# Altium PCB GameBoard_V1I1.PcbDoc (part 11 of 22) (continued)
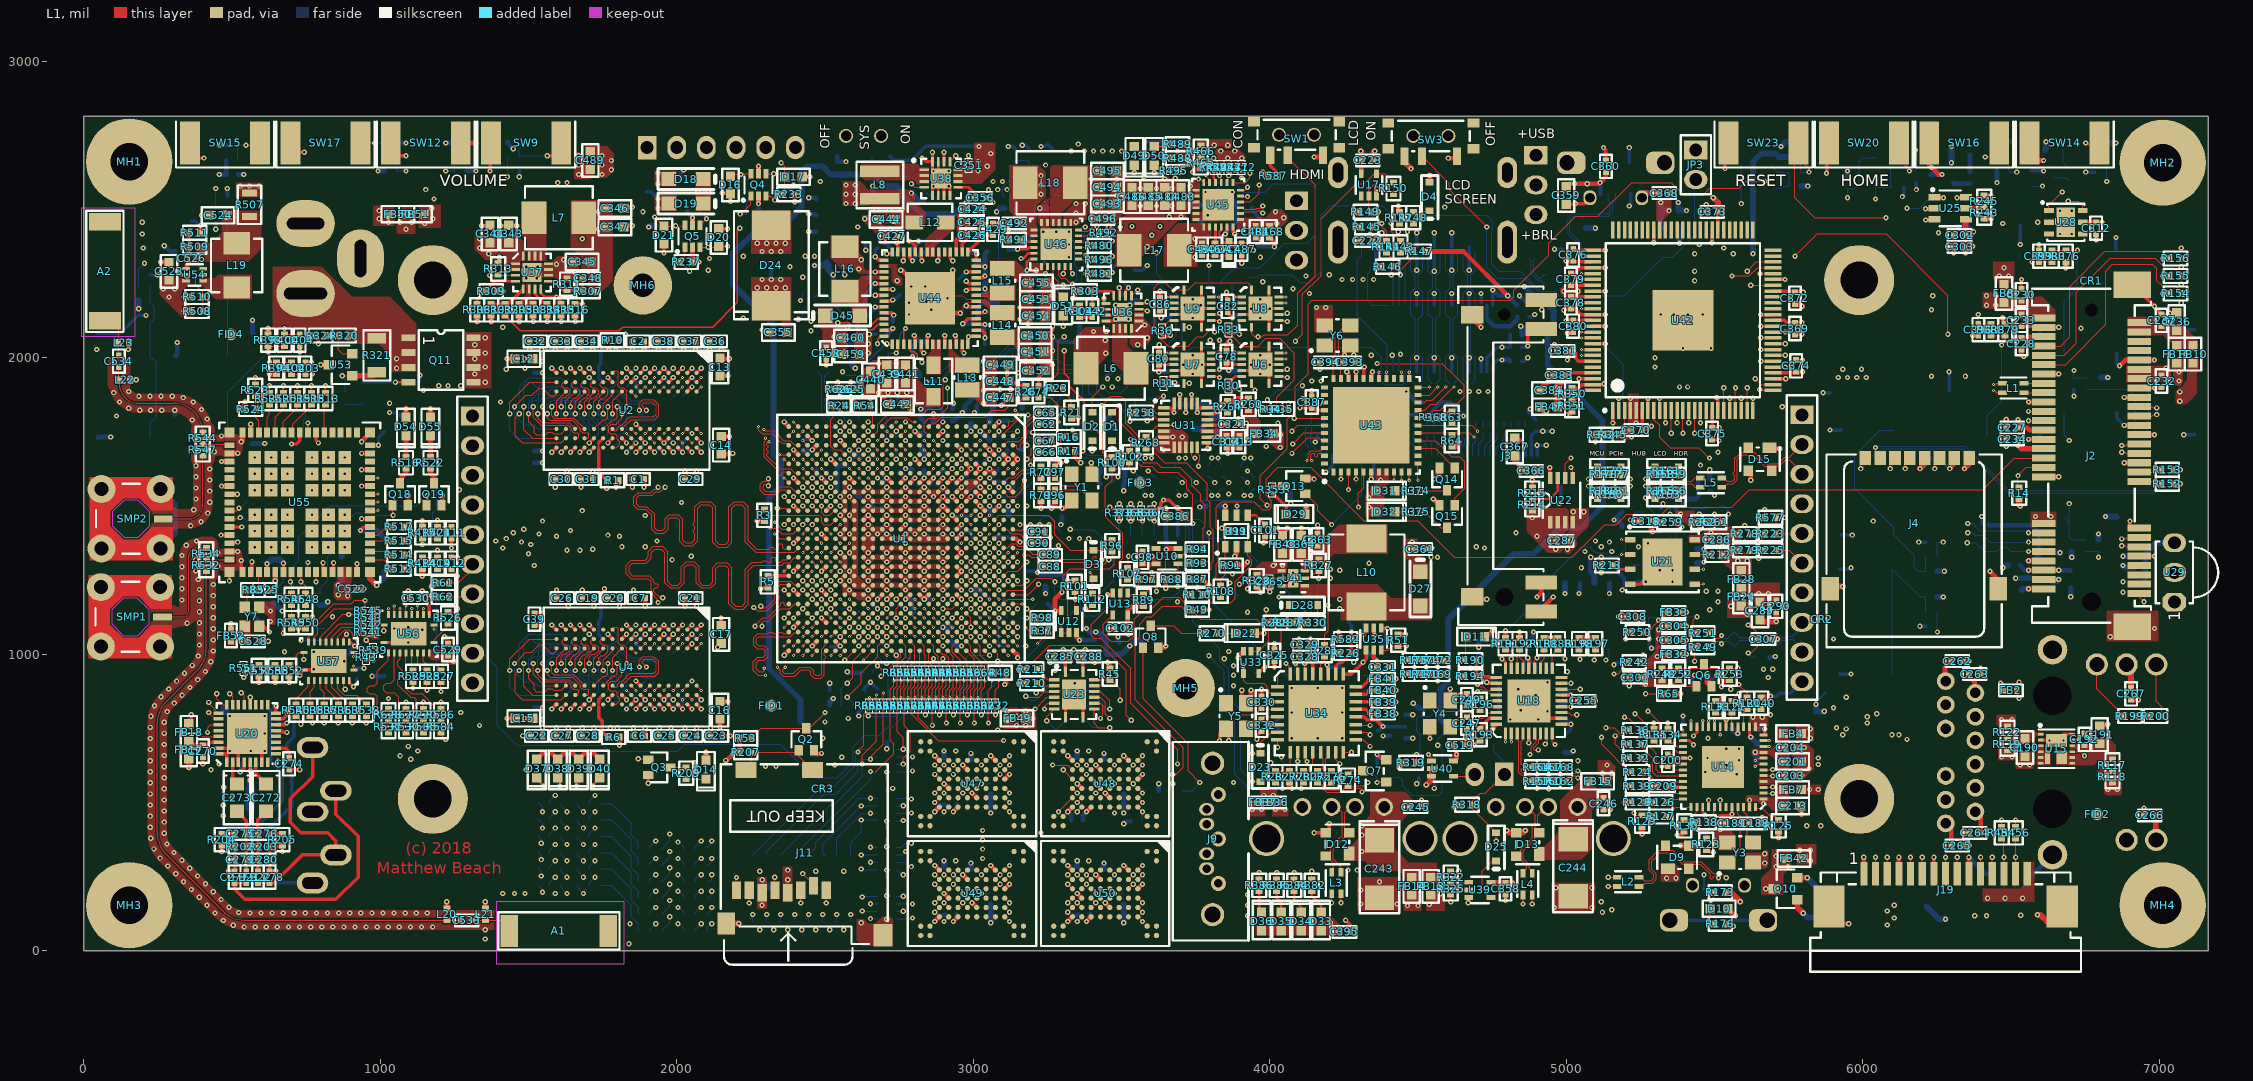
[diagram p0: L1 view]
## Nets (pads, with @x,y where several pads share a name; then routed paths per layer and width w, separated by ;. In a path a pad name is that pad's centre, name@x,y a point inside that pad or via, vN(x,y) a via of type N, cw(c..) or ccw(c..) an arc to the next point about the centre after c; other vN are vias at no path point) (continued)
  L2 w3.15: v3(1925.2,877.95) v4(1940.95,893.7) ; v4(2539.37,1133.86) v3(2551.18,1122.05)
DRAM_DQS0_N: U1.AD3 U2.B7 | length 692.2
  L1 w3.35: v3(2019.69,1744.1) v4(2035.43,1759.84) ; v3(2293.32,1757.89) 2297.28,1753.94 2328.17,1753.94 2361.64,1720.47 2383.31,1720.47 2396.72,1707.06 2407.11,1707.06 U1.AD3@2409.45,1704.73
  L3 w3.35: v4(2035.43,1759.84) 2034.95,1760.32 2024.87,1760.32 2010.59,1774.61 1973.62,1774.61 1966.14,1782.08 1966.14,1793.07 1975.32,1802.24 2113.27,1802.24 2118.9,1796.62 2118.9,1782.84 2135.2,1766.54 2158.9,1766.54 2175.39,1783.03 2175.39,1797.44 2183.07,1805.12 2198.82,1805.12 2208.66,1795.28 2208.66,1776.57 2240.85,1744.39 2279.82,1744.39 v4(2281.51,1746.08)
  L2 w3.15: v3(2019.69,1744.1) v4(2035.43,1759.84) ; v4(2281.51,1746.08) v3(2293.32,1757.89)
DRAM_DQS0_P: U1.AE3 U2.C7 | length 693
  L1 w3.35: v3(1988.19,1744.1) v4(2003.94,1759.84) ; v3(2275.59,1767.72) 2275.59,1756.56 2288.06,1744.09 2324.1,1744.09 2337.6,1730.59 2337.6,1724.41 2343.5,1718.5 2349.69,1718.5 2357.56,1710.63 2372.08,1710.63 U1.AE3@2377.95,1704.73
  L3 w3.35: v4(2003.94,1759.84) 2000.2,1763.58 1991.93,1763.58 1988.19,1759.84 1988.19,1755.91 1985.24,1752.95 1980.32,1752.95 1977.36,1755.91 1977.36,1759.84 1973.62,1763.58 1969.05,1763.58 1955.12,1777.51 1955.12,1797.64 1970.75,1813.27 2117.83,1813.27 2129.92,1801.18 2129.92,1787.4 2139.76,1777.56 2154.33,1777.56 2164.37,1787.6 2164.37,1802.01 2178.5,1816.14 2203.39,1816.14 2219.69,1799.84 2219.69,1781.14 2226.38,1774.45 2234.41,1774.45 2240,1768.86 2240,1760.83 2245.41,1755.41 2263.29,1755.41 v4(2263.78,1755.91)
  L2 w3.15: v3(1988.19,1744.1) v4(2003.94,1759.84) ; v4(2263.78,1755.91) v3(2275.59,1767.72)
DRAM_DQS1_N: U1.AE6 U2.G3 | length 1121.4
  L1 w3.35: v4(1877.95,1885.83) v3(1893.7,1901.57) ; v3(2299.21,1728.35) 2297.86,1726.99 2297.86,1719.05 2294.29,1715.48 2294.29,1665.48 2294.39,1665.38 2294.39,1665.12 2341.54,1617.97 2341.54,1607.28 2344.49,1604.33 2350.39,1604.33 2353.35,1607.28 2353.35,1610.24 2358.27,1615.16 2373.06,1615.16 U1.AE6@2377.95,1610.24
  L3 w3.35: v4(1877.95,1885.83) 1888.19,1875.59 1888.19,1856.53 1882.64,1850.98 1859.02,1850.98 1845.28,1837.24 1845.28,1812.98 1868.2,1790.06 1917.85,1790.06 1930.71,1802.91 1930.71,1833.27 1937.01,1839.57 2233.39,1839.57 2248.43,1824.53 2248.43,1793.33 2262.17,1779.58 2285.75,1779.58 2300.79,1794.62 2300.79,1831.41 2306.39,1837.01 2314.96,1837.01 2320.28,1831.69 2327.36,1831.69 2332.68,1837.01 2341.87,1837.01 2355.32,1823.56 2355.32,1812.63 2319.98,1777.29 2319.98,1766.73 2316.93,1763.68 2316.93,1755.91 2319.98,1752.85 2319.98,1745.1 2316.66,1741.78 2312.64,1741.78 v4(2311.02,1740.16)
  L2 w3.15: v4(1877.95,1885.83) v3(1893.7,1901.57) ; v3(2299.21,1728.35) v4(2311.02,1740.16)
DRAM_DQS1_P: U1.AD6 U2.F3 | length 1122
  L1 w3.35: v4(1909.45,1885.83) v3(1925.2,1901.57) ; v3(2311.02,1716.53) 2309.54,1716.54 2304.23,1711.23 2304.23,1706.59 2308.07,1702.76 2308.07,1697.83 2304.23,1694 2304.23,1687.89 2308.07,1684.06 2308.07,1680.02 2304.23,1676.18 2304.23,1669.19 2348.43,1625 2384.3,1625 2396.72,1612.57 2407.11,1612.57 U1.AD6@2409.45,1610.24
  L3 w3.35: v4(1909.45,1885.83) 1899.21,1875.59 1899.21,1851.97 1887.2,1839.96 1863.58,1839.96 1856.3,1832.68 1856.3,1817.55 1872.76,1801.08 1913.29,1801.08 1919.69,1807.48 1919.69,1837.83 1932.44,1850.59 2237.96,1850.59 2259.45,1829.1 2259.45,1797.9 2266.74,1790.61 2281.18,1790.61 2289.76,1799.19 2289.76,1835.97 2301.82,1848.03 2346.43,1848.03 2366.34,1828.13 2366.34,1808.06 2331,1772.73 2331,1740.53 2324.45,1733.98 2324.45,1729.97 v4(2322.83,1728.35)
  L2 w3.15: v4(1909.45,1885.83) v3(1925.2,1901.57) ; v3(2311.02,1716.53) v4(2322.83,1728.35)
DRAM_DQS2_N: U1.AE8 U3.G3 | length 1126.9
  L1 w3.35: v2(2309.06,1591.54) 2300.2,1582.68 2291.34,1582.68 2281.4,1572.74 2281.4,1553.25 2281.5,1553.15 2281.5,1553.01 2295.09,1539.42 2338.04,1539.42 2352.81,1554.18 2371.01,1554.18 U1.AE8@2377.95,1547.24
  L10 w3.35: v6(1877.95,1759.84) 1883.86,1759.84 1888.19,1764.17 1888.19,1783.7 1900.36,1795.87 1942.52,1795.87 1976.38,1829.72 2100.96,1829.72 2115.75,1814.94 2115.75,1788.05 2122.7,1781.1 2137.82,1781.1 2144.09,1787.38 2144.09,1815.35 2158.46,1829.72 2205.55,1829.72 2255.91,1779.37 2255.91,1754.92 2239.57,1738.58 2217.19,1738.58 2206.69,1728.09 2206.69,1708.92 2217.26,1698.35 2243.47,1698.35 2261.42,1680.4 2261.42,1657.5 2244.07,1640.16 2217.19,1640.16 2210.24,1633.21 2210.24,1618.11 2218.11,1610.24 2241.97,1610.24 2254.13,1598.07 2254.13,1580.51 2260.83,1573.82 2275.36,1573.82 2286.77,1585.24 2299.91,1585.24 2306.21,1591.54 v2(2309.06,1591.54)
  L11 w3.15: v6(1877.95,1759.84) v5(1893.7,1775.59)
  L12 w3.35: v6(1877.95,1759.84) v5(1893.7,1775.59)
DRAM_DQS2_P: U1.AD8 U3.F3 | length 1129
  L1 w3.35: v2(2309.06,1567.91) 2304.23,1572.74 2295.32,1572.74 2291.34,1568.76 2291.34,1557.09 2299.16,1549.26 2333.97,1549.26 2348.73,1564.03 2383.02,1564.03 2399.8,1547.24 U1.AD8@2409.45,1547.24
  L10 w3.35: v6(1909.45,1759.84) 1903.54,1759.84 1899.21,1764.17 1899.21,1779.13 1904.92,1784.84 1913.39,1784.84 1919.69,1778.54 1928.74,1778.54 1935.04,1784.84 1947.09,1784.84 1953.74,1791.5 1961.77,1791.5 1968.5,1798.23 1968.5,1806.26 1980.94,1818.7 2096.39,1818.7 2104.72,1810.37 2104.72,1783.49 2118.13,1770.08 2142.38,1770.08 2155.12,1782.81 2155.12,1810.79 2163.03,1818.7 2200.98,1818.7 2206.69,1812.99 2206.69,1804.13 2211.61,1799.21 2220.47,1799.21 2226.38,1793.31 2226.38,1786.42 2231.79,1781 2238.68,1781 2244.88,1774.8 2244.88,1759.49 2235,1749.61 2212.62,1749.61 2195.67,1732.65 2195.67,1704.35 2212.7,1687.33 2238.9,1687.33 2250.39,1675.84 2250.39,1662.07 2239.51,1651.18 2212.62,1651.18 2199.21,1637.77 2199.21,1613.54 2213.54,1599.21 2237.4,1599.21 2243.11,1593.5 2243.11,1575.95 2256.26,1562.8 2279.92,1562.8 2291.34,1574.21 2299.91,1574.21 2306.21,1567.91 v2(2309.06,1567.91)
  L11 w3.15: v6(1909.45,1759.84) v5(1925.2,1775.59)
  L12 w3.35: v6(1909.45,1759.84) v5(1925.2,1775.59)
DRAM_DQS3_N: U1.AB10 U3.B7 | length 830.6
  L1 w3.35: v2(2456.69,1500) U1.AB10@2472.44,1484.25
  L10 w3.35: v6(2003.94,1854.33) 2014.17,1864.57 2020.28,1864.57 2031.69,1853.15 2213.78,1853.15 2281.89,1785.04 2281.89,1639.16 2324.51,1596.54 2324.51,1530.97 2385.2,1470.28 2436.65,1470.28 2446.46,1480.08 2446.46,1492.55 2453.91,1500 v2(2456.69,1500)
  L11 w3.15: v6(2003.94,1854.33) v5(2019.69,1870.08)
  L12 w3.35: v5(2019.69,1870.08) U3.B7@2035.43,1885.83
DRAM_DQS3_P: U1.AC10 U3.C7 | length 829.8
  L1 w3.35: v2(2425.2,1500) U1.AC10@2440.94,1484.25
  L10 w3.35: v6(2003.94,1885.83) 2014.17,1875.59 2024.84,1875.59 2036.26,1864.17 2218.34,1864.17 2292.91,1789.6 2292.91,1643.73 2335.53,1601.11 2335.53,1557.09 2339.57,1553.05 2339.57,1546.36 2335.53,1542.32 2335.53,1535.53 2361.22,1509.84 2366.14,1509.84 2369.09,1512.8 2374.02,1512.8 2376.97,1509.84 2376.97,1504.92 2374.02,1501.97 2374.02,1497.05 2389.76,1481.3 2432.09,1481.3 2435.43,1484.65 2435.43,1492.55 2427.98,1500 v2(2425.2,1500)
  L11 w3.15: v5(1988.19,1870.08) v6(2003.94,1885.83)
  L12 w3.35: v5(1988.19,1870.08) v6(2003.94,1885.83)
DRAM_DQS4_N: U1.AE18 U5.G3 | length 1231.4
  L1 w3.35: v2(2259.84,1157.48) 2270.67,1146.65 2305.12,1146.65 2346.46,1187.99 2346.46,1192.91 2340.55,1198.82 2340.55,1205.71 2344.49,1209.65 2344.49,1214.57 2340.45,1218.6 2340.45,1225.3 2351.38,1236.22 2374.05,1236.22 U1.AE18@2377.95,1232.32
  L10 w3.35: v6(1877.95,893.7) 1879.27,895.02 1883.21,895.02 1888.19,900 1888.19,911.65 1905.67,929.13 2029.27,929.13 2037.79,937.66 2037.79,960.27 2048.25,970.73 2072.81,970.73 2084.25,959.29 2084.25,926.16 2089.24,921.18 2104.66,921.18 2109.65,926.16 2109.65,970.45 2121.09,981.89 2145.65,981.89 2157.09,970.45 2157.09,926.16 2162.07,921.18 2177.5,921.18 2182.48,926.16 2182.48,970.45 2193.92,981.89 2218.48,981.89 2229.92,970.45 2229.92,925.83 2234.9,920.84 2251.57,920.84 2256.69,925.96 2256.69,990.79 2272.99,1007.09 2309.25,1007.09 2332.68,1030.51 2332.68,1084.65 2284.53,1132.79 v2(2259.84,1157.48)
  L11 w3.15: v6(1877.95,893.7) v5(1893.7,909.45)
  L12 w3.35: v6(1877.95,893.7) v5(1893.7,909.45)
DRAM_DQS4_P: U1.AD18 U5.F3 | length 1231.3
  L1 w3.35: v2(2283.46,1161.42) 2288.39,1156.5 2301.04,1156.5 2330.61,1186.07 2330.61,1229.37 2347.3,1246.06 2385.28,1246.06 2396.72,1234.62 2407.11,1234.62 U1.AD18@2409.45,1232.28
  L10 w3.35: v6(1909.45,893.7) 1908.13,895.02 1904.19,895.02 1899.21,900 1899.21,907.09 1910.24,918.11 2033.83,918.11 2048.82,933.09 2048.82,955.71 2052.82,959.71 2068.25,959.71 2073.23,954.72 2073.23,921.59 2084.67,910.15 2109.23,910.15 2120.67,921.59 2120.67,965.88 2125.65,970.87 2141.08,970.87 2146.06,965.88 2146.06,921.59 2157.5,910.15 2182.06,910.15 2193.5,921.59 2193.5,965.88 2198.49,970.87 2213.91,970.87 2218.9,965.88 2218.9,921.26 2230.34,909.82 2256.14,909.82 2267.72,921.4 2267.72,986.22 2277.56,996.06 2313.82,996.06 2343.7,1025.95 2343.7,1089.21 2283.46,1149.45 v2(2283.46,1161.42)
  L11 w3.15: v6(1909.45,893.7) v5(1925.2,909.45)
  L12 w3.35: v6(1909.45,893.7) v5(1925.2,909.45)
DRAM_DQS5_N: U1.AE20 U5.B7 | length 766.1
  L1 w3.35: v2(2263.78,1094.49) 2263.78,1096.46 2290.45,1123.13 2307.19,1123.13 2351.38,1167.32 2351.38,1172.24 2354.33,1175.2 2359.25,1175.2 2362.2,1172.24 2362.2,1166.44 2365.16,1163.48 2372.15,1163.48 U1.AE20@2377.95,1169.29
  L10 w3.35: v6(2003.94,1019.69) 2015.45,1008.17 2104.37,1008.17 2110.63,1014.43 2110.63,1049.61 2126.97,1065.94 2149.61,1065.94 2165.64,1049.91 2165.64,1018.26 2174.45,1009.45 2200.13,1009.45 2212.6,1021.91 2212.6,1037.56 2173.23,1076.93 2173.23,1099.98 2189,1115.75 2212.58,1115.75 2225.19,1103.14 2229.12,1103.14 2233.27,1107.28 2238.19,1107.28 2241.14,1104.33 2241.14,1100.39 2236.22,1095.47 2236.22,1092.1 2255.29,1073.03 2265.12,1073.03 2270.08,1077.99 2270.08,1088.19 v2(2263.78,1094.49)
  L11 w3.15: v6(2003.94,1019.69) v5(2019.69,1003.94)
  L12 w3.35: v5(2019.69,1003.94) U5.B7@2035.43,1019.69
DRAM_DQS5_P: U1.AD20 U5.C7 | length 765.7
  L1 w3.35: v2(2287.4,1094.49) 2287.4,1106.16 2294.43,1113.19 2298.23,1113.19 2301.18,1110.24 2308.21,1110.24 2351.52,1153.54 2381.89,1153.54 2397.64,1169.29 U1.AD20@2409.45,1169.29
  L10 w3.35: v6(2003.94,988.19) 2012.89,997.15 2108.93,997.15 2121.65,1009.87 2121.65,1045.04 2131.53,1054.92 2145.04,1054.92 2154.61,1045.35 2154.61,1013.69 2169.88,998.43 2204.7,998.43 2223.62,1017.35 2223.62,1042.13 2184.25,1081.5 2184.25,1095.41 2193.57,1104.72 2208.01,1104.72 2250.73,1062.01 2269.69,1062.01 2281.1,1073.43 2281.1,1088.19 v2(2287.4,1094.49)
  L11 w3.15: v5(1988.19,1003.94) v6(2003.94,988.19)
  L12 w3.35: v5(1988.19,1003.94) U5.C7@2003.94,1019.69
DRAM_DQS6_N: U1.AE23 U4.B7 | length 747.2
  L1 w3.35: v3(2019.69,877.95) v4(2035.43,893.7) ; v3(2299.21,929.13) 2275.24,929.13 2257.78,946.6 2257.78,974.45 2272.6,989.27 2291.16,989.27 2298.13,996.24 2298.13,1011.49 2291.81,1017.81 2271.69,1017.81 2258.86,1030.65 2258.86,1055.4 2272.46,1069 2307.09,1069 2311.91,1073.82 2321.95,1073.82 2326.77,1069 2339.76,1069 2345.47,1074.7 2353.35,1074.7 2359.06,1069 2372.18,1069 U1.AE23@2377.95,1074.77
  L3 w3.35: v4(2035.43,893.7) 2025.2,903.94 2025.2,908.53 2040.59,923.92 2065.98,923.92 2084.39,905.51 2281.34,905.51 2299.38,923.56 2299.38,929.3 v4(2311.02,940.94)
  L2 w3.15: v3(2019.69,877.95) v4(2035.43,893.7) ; v3(2299.21,929.13) v4(2311.02,940.94)
DRAM_DQS6_P: U1.AD23 U4.C7 | length 747.8
  L1 w3.35: v3(1988.19,877.95) v4(2003.94,893.7) ; v3(2295.28,952.76) 2295.28,943.9 2291.34,939.96 2278.33,939.96 2267.62,950.68 2267.62,970.37 2276.67,979.43 2295.24,979.43 2307.97,992.17 2307.97,1015.57 2295.88,1027.66 2275.77,1027.66 2268.7,1034.73 2268.7,1051.32 2276.53,1059.15 2383.41,1059.15 2396.72,1072.47 2407.11,1072.47 U1.AD23@2409.45,1074.8
  L3 w3.35: v4(2003.94,893.7) 2014.17,903.94 2014.17,913.09 2036.02,934.94 2070.55,934.94 2088.95,916.54 2254.92,916.54 2258.66,920.28 2266.73,920.28 2270.47,916.54 2276.77,916.54 2288.36,928.12 2288.36,934.75 2283.46,939.65 v4(2283.46,940.94)
  L2 w3.15: v3(1988.19,877.95) v4(2003.94,893.7) ; v4(2283.46,940.94) v3(2295.28,952.76)
DRAM_DQS7_N: U1.AA24 U4.G3 | length 1013.1
  L1 w3.35: v4(1877.95,1019.68) v3(1893.7,1035.43) ; v3(2366.14,955.71) 2358.27,947.83 2358.27,939.96 2363.19,935.04 2393.56,935.04 2415.21,956.69 2449.8,956.69 2462.7,943.8 2462.7,933.87 2468.42,928.15 2482,928.15 2488.29,934.43 2488.29,1006.04 2488.19,1006.13 2488.19,1017.17 2501.6,1030.58 2501.6,1040.97 U1.AA24@2503.94,1043.31
  L3 w3.35: v4(1877.95,1019.68) 1878.19,1019.68 1888.19,1009.69 1888.19,992.36 1879.4,983.58 1857.75,983.58 1845.87,971.69 1845.87,946.25 1872.04,920.08 1997.11,920.08 2028.21,951.18 2086.64,951.18 2100.81,937.01 2255.75,937.01 2271.2,952.46 2345.87,952.46 2354.33,944 v4(2354.33,943.9)
  L2 w3.15: v4(1877.95,1019.68) v3(1893.7,1035.43) ; v4(2354.33,943.9) v3(2366.14,955.71)
DRAM_DQS7_P: U1.AA25 U4.F3 | length 1013.4
  L1 w3.35: v4(1909.45,1019.68) v3(1925.2,1035.43) ; v3(2339.57,955.71) 2348.43,946.85 2348.43,935.88 2359.11,925.2 2397.64,925.2 2419.29,946.85 2445.73,946.85 2452.03,940.55 2452.03,930.62 2464.34,918.31 2486.08,918.31 2498.13,930.36 2498.13,982.28 2501.97,986.12 2501.97,993.11 2498.13,996.95 2498.13,1006.04 U1.AA25@2503.91,1011.81
  L3 w3.35: v4(1909.45,1019.68) 1909.21,1019.68 1899.21,1009.69 1899.21,987.79 1883.97,972.55 1862.32,972.55 1856.89,967.13 1856.89,950.81 1876.6,931.1 1884.84,931.1 1890.75,937.01 1896.65,937.01 1902.56,931.1 1908.46,931.1 1914.37,937.01 1921.26,937.01 1927.17,931.1 1934.06,931.1 1939.96,937.01 1945.87,937.01 1951.77,931.1 1959.65,931.1 1965.55,937.01 1974.41,937.01 1980.31,931.1 1992.54,931.1 2023.64,962.2 2091.2,962.2 2105.38,948.03 2251.18,948.03 2266.63,963.48 2318.9,963.48 2322.93,967.52 2332.68,967.52 2336.71,963.48 2347.45,963.48 2351.38,967.41 v4(2351.38,967.52)
  L2 w3.15: v4(1909.45,1019.68) v3(1925.2,1035.43) ; v3(2339.57,955.71) v4(2351.38,967.52)
DRAM_RAS_B: U1.AB15 U2.J3 U3.J3 U4.J3 U5.J3 | length 2846.1
  L1 w3.15: v2@1783.53,944.88 1783.53,988.19 U4.J3@1815.03,1019.68 ; v2@1783.53,1811.02 1783.53,1854.33 U2.J3@1815.03,1885.83 ; U1.AB15@2472.44,1326.77 v3(2488.19,1311.02)
  L3 w3.15: v2(1933.07,1381.89) 1948.82,1366.14 2059.06,1366.14 2082.68,1342.52 2082.68,1291.34 2090.55,1283.46 2330.71,1283.46 2342.04,1294.8 2362.4,1294.8 2378.63,1311.02 2426.18,1311.02 2433.46,1303.74 2444.92,1303.74 2452.2,1311.02 2507.87,1311.02 2524.25,1327.4 2588.44,1327.4 2606.3,1345.26 2606.3,1366.14 2625.98,1385.83 2650.8,1385.83 2662.4,1397.43 2662.4,1418.31 2688.98,1444.88 2688.98,1475.26 2697.97,1484.25 2723.13,1484.25 2731,1476.38 2731,1430.12 2722.14,1421.26 2703.53,1421.26 2693.9,1411.63 2693.9,1369.87 2650.8,1326.77 2629.92,1326.77 2617.13,1313.98 2525.59,1313.98 2510.83,1299.21 v4(2500,1299.21)
  L10 w3.15: v2(1783.46,944.88) 1783.46,983.51 1735.24,1031.74 1735.24,1114.86 1771.65,1151.28 1771.65,1181.1 1905.51,1314.96 1921.26,1314.96 1933.07,1326.77 v2(1933.07,1381.89) ; v2@1783.53,1811.02 1783.53,1788.18 1737.2,1741.85 1737.2,1644.69 1817.91,1563.98 1817.91,1549 1817.78,1548.86 1817.78,1548.37 1858.27,1507.87 1889.83,1507.87 1933.14,1464.57 v2@1933.14,1381.89
  L2 w3.15: v3(2488.19,1311.02) v4(2500,1299.21)
  L12 w3.15: v2@1783.53,944.88 1780.58,944.88 1775.66,939.96 1775.66,933.07 1780.24,928.49 1792.73,928.49 1797.46,923.75 1797.46,914.52 1804.51,907.48 1813.73,907.48 1818.32,902.9 1818.32,896.99 U5.J3@1815.03,893.7 ; v2@1783.53,1811.02 1780.58,1811.02 1775.66,1806.1 1775.66,1799.21 1780.24,1794.63 1792.73,1794.63 1797.46,1789.89 1797.46,1780.67 1804.51,1773.62 1813.73,1773.62 1818.32,1769.04 1818.32,1763.13 U3.J3@1815.03,1759.84
  other v2: 1783.46,1811.02
DRAM_RESET_B: R4.2 U1.Y6 U2.T2 U3.T2 U4.T2 U5.T2 | length 3188.2
  L1 w3.15: v2@1437.07,944.88 1437.07,984.25 1504,1051.18 U4.T2@1594.55,1051.18 ; v2@1437.07,1811.02 1437.07,1850.39 1504,1917.32 U2.T2@1594.55,1917.32 ; v2(2519.69,1594.49) U1.Y6@2535.43,1610.24
  L3 w3.15: v2(1389.76,1381.89) 1389.76,1515.75 1417.5,1543.49 1964.57,1543.49 1974.13,1553.15 2324.8,1553.15 2342.52,1570.87 2393.7,1570.87 2413.39,1590.55 2437.01,1590.55 2448.82,1578.74 2503.94,1578.74 v2(2519.69,1594.49)
  L10 w3.15: v2(1389.76,1381.89) 1377.95,1370.08 1377.95,1003.94 v2(1437.01,944.88) ; v2@1389.8,1381.92 1378.02,1393.7 1378.02,1763.78 1425.26,1811.02 v2@1437.07,1811.02
  L12 w3.15: v2@1437.07,944.88 1437.07,889.76 1464.63,862.2 U5.T2@1594.55,862.2 ; v2@1437.07,1811.02 1437.07,1755.91 1464.63,1728.35 U3.T2@1594.55,1728.35 ; R4.2@2511.81,1622.05 2511.81,1602.36 v2(2519.69,1594.49)
  other v2: 1437.01,1811.02
DRAM_SDBA0: U1.AC15 U2.M2 U3.M2 U4.M2 U5.M2 | length 3078.6
  L1 w3.15: v2(1704.72,968.5) 1704.79,989.54 1714.27,999.02 1723.49,999.02 1736.29,1011.81 1736.29,1022.03 1725.84,1032.48 1715.62,1032.48 1709.71,1038.39 1709.71,1045.27 1714.63,1050.2 U4.M2@1721.52,1050.2 ; v2(1704.72,1834.65) 1704.79,1855.68 1714.27,1865.16 1723.49,1865.16 1736.29,1877.95 1736.29,1888.17 1725.84,1898.62 1715.62,1898.62 1709.71,1904.53 1709.71,1911.42 1714.63,1916.34 U2.M2@1721.52,1916.34 ; v3(2425.2,1311.02) U1.AC15@2440.94,1326.77
  L3 w3.15: v2(1767.72,1401.57) 1748.31,1382.16 1748.31,1263.51 1759.84,1251.97 1779.53,1251.97 1791.34,1263.78 1791.34,1273.62 1785.43,1279.53 1767.04,1279.53 1761.13,1285.43 1761.13,1297.24 1767.04,1303.15 1795.28,1303.15 1801.18,1309.05 1801.18,1320.87 1795.28,1326.77 1767.04,1326.77 1761.13,1332.68 1761.13,1344.49 1767.04,1350.39 1785.43,1350.39 1791.34,1356.3 1791.34,1366.14 1783.46,1374.02 1783.46,1397.64 1799.21,1413.39 1827.37,1413.39 1842.62,1398.14 1940.94,1398.14 1965.07,1374.02 2062.32,1374.02 2090.55,1345.78 2090.55,1299.21 2098.43,1291.34 2327.45,1291.34 2355.01,1318.9 2433.07,1318.9 v4(2437.01,1322.84)
  L10 w3.15: v2(1704.72,968.5) 1704.72,988.51 1625.98,1067.25 1625.98,1118.11 1633.86,1125.98 1665.35,1125.98 1673.23,1133.86 1673.23,1141.73 1657.48,1157.48 1657.48,1169.29 1665.35,1177.17 1681.1,1177.17 1708.66,1204.72 1708.66,1216.54 1696.85,1228.35 1696.85,1239.06 1705.27,1247.48 1724.41,1247.48 1732.56,1255.63 1732.56,1275.86 1740.16,1283.46 1760.39,1283.46 1767.72,1290.79 1767.72,1318.9 1775.59,1326.77 1787.4,1326.77 1795.28,1334.65 1795.28,1342.52 1787.4,1350.39 1775.59,1350.39 1767.72,1358.27 1767.72,1366.14 1775.59,1374.02 1783.46,1374.02 1791.34,1381.89 1791.34,1393.7 1783.46,1401.57 v2@1767.78,1401.57 ; v2(1704.72,1834.65) 1704.79,1783.46 1696.92,1775.59 1681.17,1775.59 1673.29,1767.72 1673.29,1748.03 1663.45,1738.19 1643.77,1738.19 1635.89,1730.32 1635.89,1704.72 1625.98,1694.82 1625.98,1673.29 1636.45,1662.82 1652.2,1662.82 1661.48,1653.54 1661.48,1645.67 1645.74,1629.92 1645.74,1602.36 1637.86,1594.49 1637.86,1570.87 1649.67,1559.06 1649.67,1539.37 1657.55,1531.5 1696.92,1531.5 1704.79,1523.62 1704.79,1503.94 1696.92,1496.06 1696.92,1484.25 1708.73,1472.44 1716.6,1472.44 1724.48,1480.31 1732.35,1480.31 1740.22,1472.44 1740.22,1464.57 1732.35,1456.69 1732.35,1444.88 1740.22,1437.01 1749.14,1437.01 1755.97,1443.84 1768.82,1443.84 1775.66,1437.01 1775.66,1425.2 1767.78,1417.32 v2@1767.78,1401.57 ; v2(1767.72,1401.57) v2@1767.78,1401.57
  L2 w3.15: v3(2425.2,1311.02) v4(2437.01,1322.84)
  L12 w3.15: v2(1704.72,968.5) 1704.79,944.05 1704.79,933.07 1736.29,901.57 1736.29,877.95 U5.M2@1720.54,862.2 ; v2(1704.72,1834.65) 1704.79,1810.19 1704.79,1799.21 1736.29,1767.72 1736.29,1744.09 U3.M2@1720.54,1728.35
DRAM_SDBA1: U1.Y15 U2.N8 U3.N8 U4.N8 U5.N8 | length 3260.6
  L1 w3.15: v2@1563.06,944.88 1563.06,932.09 1572.9,922.24 1648.69,922.24 1676.25,894.68 1676.25,886.81 1682.15,880.9 1699.87,880.9 1703.81,876.97 1703.81,866.14 1699.87,862.2 U4.N8@1689.04,862.2 ; v2@1563.06,1811.02 1563.06,1798.23 1572.9,1788.39 1648.69,1788.39 1676.25,1760.83 1676.25,1752.95 1682.15,1747.05 1699.87,1747.05 1703.81,1743.11 1703.81,1732.28 1699.87,1728.35 U2.N8@1689.04,1728.35 ; U1.Y15@2535.43,1326.77 v3(2551.18,1311.02)
  L3 w3.15: v2(1519.68,1299.21) 1578.74,1240.16 1591.75,1240.16 1655.72,1176.18 1906.5,1176.18 1923.23,1159.45 1966.54,1159.45 1984.25,1177.17 2425.2,1177.17 2449.8,1201.77 2494.3,1201.77 2503.94,1211.41 2503.94,1221.67 2513.57,1231.3 2523.83,1231.3 2534.45,1241.92 2534.45,1252.18 2545.07,1262.8 2555.33,1262.8 2565.95,1273.41 2565.95,1296.26 v4(2562.99,1299.21)
  L10 w3.15: v2(1519.68,1299.21) 1527.56,1291.34 1535.43,1291.34 1543.31,1299.21 1543.31,1307.09 1535.43,1314.96 1535.43,1322.83 1543.31,1330.71 1555.12,1330.71 1562.99,1322.84 1562.99,1279.53 1555.12,1271.65 1515.75,1271.65 1507.87,1263.78 1507.87,1255.91 1515.75,1248.03 1535.43,1248.03 1543.31,1240.16 1543.31,1222.72 1482.6,1162.01 1482.6,1056.77 1562.99,976.38 v2(1562.99,944.88) ; v2@1519.75,1299.21 1511.81,1307.15 1511.81,1326.71 1533.46,1348.36 1533.46,1379.92 1519.75,1393.64 1519.75,1440.88 1476.44,1484.19 1476.44,1527.56 1456.69,1547.31 1456.69,1704.21 1563.06,1810.57 v2@1563.06,1811.02
  L2 w3.15: v3(2551.18,1311.02) v4(2562.99,1299.21)
  L12 w3.15: v2@1563.06,944.88 1563.06,973.64 1580.56,991.14 1664.44,991.14 1676.25,1002.95 1676.25,1038.39 U5.N8@1689.04,1051.18 ; v2@1563.06,1811.02 1563.06,1839.78 1580.56,1857.28 1664.44,1857.28 1676.25,1869.09 1676.25,1904.53 U3.N8@1689.04,1917.32
  other v2: 1562.99,1811.02
DRAM_SDBA2: U1.AB12 U2.M3 U3.M3 U4.M3 U5.M3 | length 2974
  L1 w3.15: v2@1689.04,944.88 1689.04,984.93 1720.54,1016.42 U4.M3@1720.54,1019.68 ; v2@1689.04,1811.02 1689.04,1851.07 1720.54,1882.57 U2.M3@1720.54,1885.83 ; v3(2456.69,1405.51) v4(2472.44,1421.26)
  L3 w3.15: v2(1681.1,1484.25) 1645.67,1484.25 1637.8,1492.13 1637.8,1515.75 1645.67,1523.62 1681.1,1523.62 1688.98,1515.75 1688.98,1503.94 1696.85,1496.06 1704.72,1496.06 1712.6,1503.94 1712.6,1515.75 1720.47,1523.62 1720.47,1523.9 1977.58,1523.9 1989.12,1535.43 2334.13,1535.43 2352.83,1554.13 2378.39,1554.13 2385.28,1547.24 2433.07,1547.24 2440.94,1539.37 2440.94,1526.37 2431.31,1516.73 2418.31,1516.73 2409.45,1507.87 2409.45,1492.13 2417.32,1484.25 2433.07,1484.25 2441.93,1493.11 2441.93,1506.12 2450.58,1514.76 2462.81,1514.76 2471.46,1506.11 2471.46,1495.85 2482.07,1485.24 2495.08,1485.24 2507.87,1472.44 2507.87,1437.01 2500,1429.13 2480.32,1429.13 v4(2472.44,1421.26)
  L10 w3.15: v2(1681.1,1484.25) v2@1681.17,1484.25 ; v2(1688.98,944.88) 1688.98,992.13 1594.49,1086.61 1594.49,1150.6 1595.61,1151.73 1595.61,1151.92 1751.97,1308.28 1751.97,1322.83 1758.86,1329.72 1758.86,1350.34 1751.97,1357.23 1751.97,1413.78 1681.49,1484.25 v2@1681.17,1484.25 ; v2@1689.04,1811.02 1689.04,1799.28 1593.57,1703.81 1593.57,1674.21 1602.43,1665.35 1614.24,1665.35 1622.11,1657.48 1622.11,1645.67 1615.36,1638.92 1582.74,1638.92 1574.87,1631.04 1574.87,1618.11 1582.74,1610.24 1614.24,1610.24 1623.03,1601.44 1623.03,1587.53 1614.24,1578.74 1582.74,1578.74 1574.87,1570.87 1574.87,1555.12 1582.74,1547.24 1610.3,1547.24 1622.11,1559.06 1633.92,1559.06 1641.8,1551.18 1641.8,1539.37 1615.22,1512.8 1615.22,1502.95 1625.07,1493.11 1634.91,1493.11 1661.48,1519.68 1673.23,1519.68 1681.17,1511.75 v2@1681.17,1484.25
  L2 w3.15: v3(2456.69,1405.51) v4(2472.44,1421.26)
  L12 w3.15: v2@1689.04,944.88 1686.09,944.88 1681.17,939.96 1681.17,933.07 1685.75,928.49 1698.24,928.49 1702.98,923.75 1702.98,910.59 1706.08,907.48 1717.28,907.48 1720.54,904.22 U5.M3@1720.54,893.7 ; v2@1689.04,1811.02 1686.09,1811.02 1681.17,1806.1 1681.17,1799.21 1685.75,1794.63 1698.24,1794.63 1702.98,1789.89 1702.98,1776.73 1706.08,1773.62 1717.28,1773.62 1720.54,1770.36 U3.M3@1720.54,1759.84
  other v2: 1688.98,1811.02
DRAM_SDCKE0: R3.2 U1.Y11 U2.K9 U3.K9 U4.K9 U5.K9 | length 3432.3
  L1 w3.15: U4.K9@1783.53,830.71 1795.34,830.71 1807.15,842.52 1807.15,850.39 1799.28,858.27 1799.28,870.08 1792.39,876.97 1775.66,876.97 1770.74,881.89 1770.74,900.59 1779.59,909.45 1795.34,909.45 1815.03,929.13 v2@1815.03,944.88 ; U2.K9@1783.53,1696.85 1795.34,1696.85 1807.15,1708.66 1807.15,1716.54 1799.28,1724.41 1799.28,1736.22 1792.39,1743.11 1775.66,1743.11 1770.74,1748.03 1770.74,1766.73 1779.59,1775.59 1795.34,1775.59 1815.03,1795.28 v2@1815.03,1811.02 ; v3(2271.65,1488.19) R3.2@2295.28,1488.19 2314.96,1468.5 2480.32,1468.5 2488.19,1460.63 2488.19,1444.88 2496.06,1437.01 2519.69,1437.01 U1.Y11@2535.43,1452.76
  L3 w3.15: v2(2015.75,1511.81) 2025.49,1511.81 2033.37,1519.68 2139.76,1519.68 2145.67,1513.78 2145.67,1485.34 2151.58,1479.44 2163.39,1479.44 2169.29,1485.34 2169.29,1513.78 2175.2,1519.68 2187.01,1519.68 2192.91,1513.78 2192.91,1485.34 2198.82,1479.44 2210.63,1479.44 2216.54,1485.34 2216.54,1513.78 2222.44,1519.68 2234.25,1519.68 2240.16,1513.78 2240.16,1485.34 2246.06,1479.44 2257.87,1479.44 2263.78,1485.34 2263.78,1513.78 2269.69,1519.68 2281.5,1519.68 2287.4,1513.78 2287.4,1493.43 2293.31,1487.52 2305.12,1487.52 2311.02,1493.43 2311.02,1513.78 2316.93,1519.68 2349.41,1519.68 2367.13,1501.97 2367.13,1485.24 2359.25,1477.36 2339.57,1477.36 2330.71,1468.5 2291.34,1468.5 v4(2283.47,1476.38)
  L10 w3.15: v2(1814.96,944.88) 1814.96,976.38 1751.97,1039.37 1751.97,1105.62 1791.34,1144.99 1791.34,1174.42 1848.22,1231.3 1888.78,1231.3 1909.45,1251.97 1964.57,1251.97 2019.68,1307.09 2019.68,1405.51 2027.56,1413.39 2043.31,1413.39 2055.12,1425.2 2055.12,1456.69 2047.24,1464.57 2047.24,1476.38 2055.12,1484.25 2055.12,1499.9 2035.33,1519.69 2023.62,1519.69 v2(2015.75,1511.81) ; v2@1815.03,1811.02 1815.03,1795.51 1752.95,1733.44 1752.95,1706.48 1761.6,1697.83 1761.99,1697.83 1764.43,1695.39 1764.43,1655.24 1841.92,1577.76 1856.51,1577.76 1865.16,1569.11 1865.16,1541.34 1878.94,1527.56 1926.05,1527.56 1932.14,1521.47 1932.14,1511.81 1940.03,1503.93 1949.87,1503.93 1956.76,1510.81 1956.76,1519.69 1972.51,1535.43 1996.06,1535.43 2001.97,1529.53 2001.97,1519.69 1996.06,1513.78 1980.38,1513.78 1974.47,1507.87 1974.47,1498.03 1980.38,1492.13 2002.03,1492.13 2007.94,1486.22 2007.94,1476.38 2002.03,1470.47 1980.38,1470.47 1974.47,1464.57 1974.47,1454.72 1980.38,1448.82 1996.06,1448.82 2003.29,1441.59 2003.29,1433.78 2007.94,1429.13 2019.68,1429.13 2027.56,1437.01 2027.56,1488.19 2015.81,1499.94 v2(2015.75,1511.81)
  L2 w3.15: v3(2271.65,1488.19) v4(2283.47,1476.38)
  L12 w3.15: U5.K9@1783.53,1082.68 1799.28,1066.93 1799.28,1047.24 1787.47,1035.43 1779.59,1035.43 1770.74,1026.57 1770.74,1013.78 1788.45,996.06 1795.83,996.06 1815.03,976.87 v2@1815.03,944.88 ; U3.K9@1783.53,1948.82 1799.28,1933.07 1799.28,1913.39 1787.47,1901.57 1779.59,1901.57 1770.74,1892.72 1770.74,1879.92 1788.45,1862.2 1795.83,1862.2 1815.03,1843.01 v2@1815.03,1811.02
  other v2: 1814.96,1811.02